# Altium PCB 11BRANMB10H2_20170927.pcbdoc (part 4 of 11) (continued)
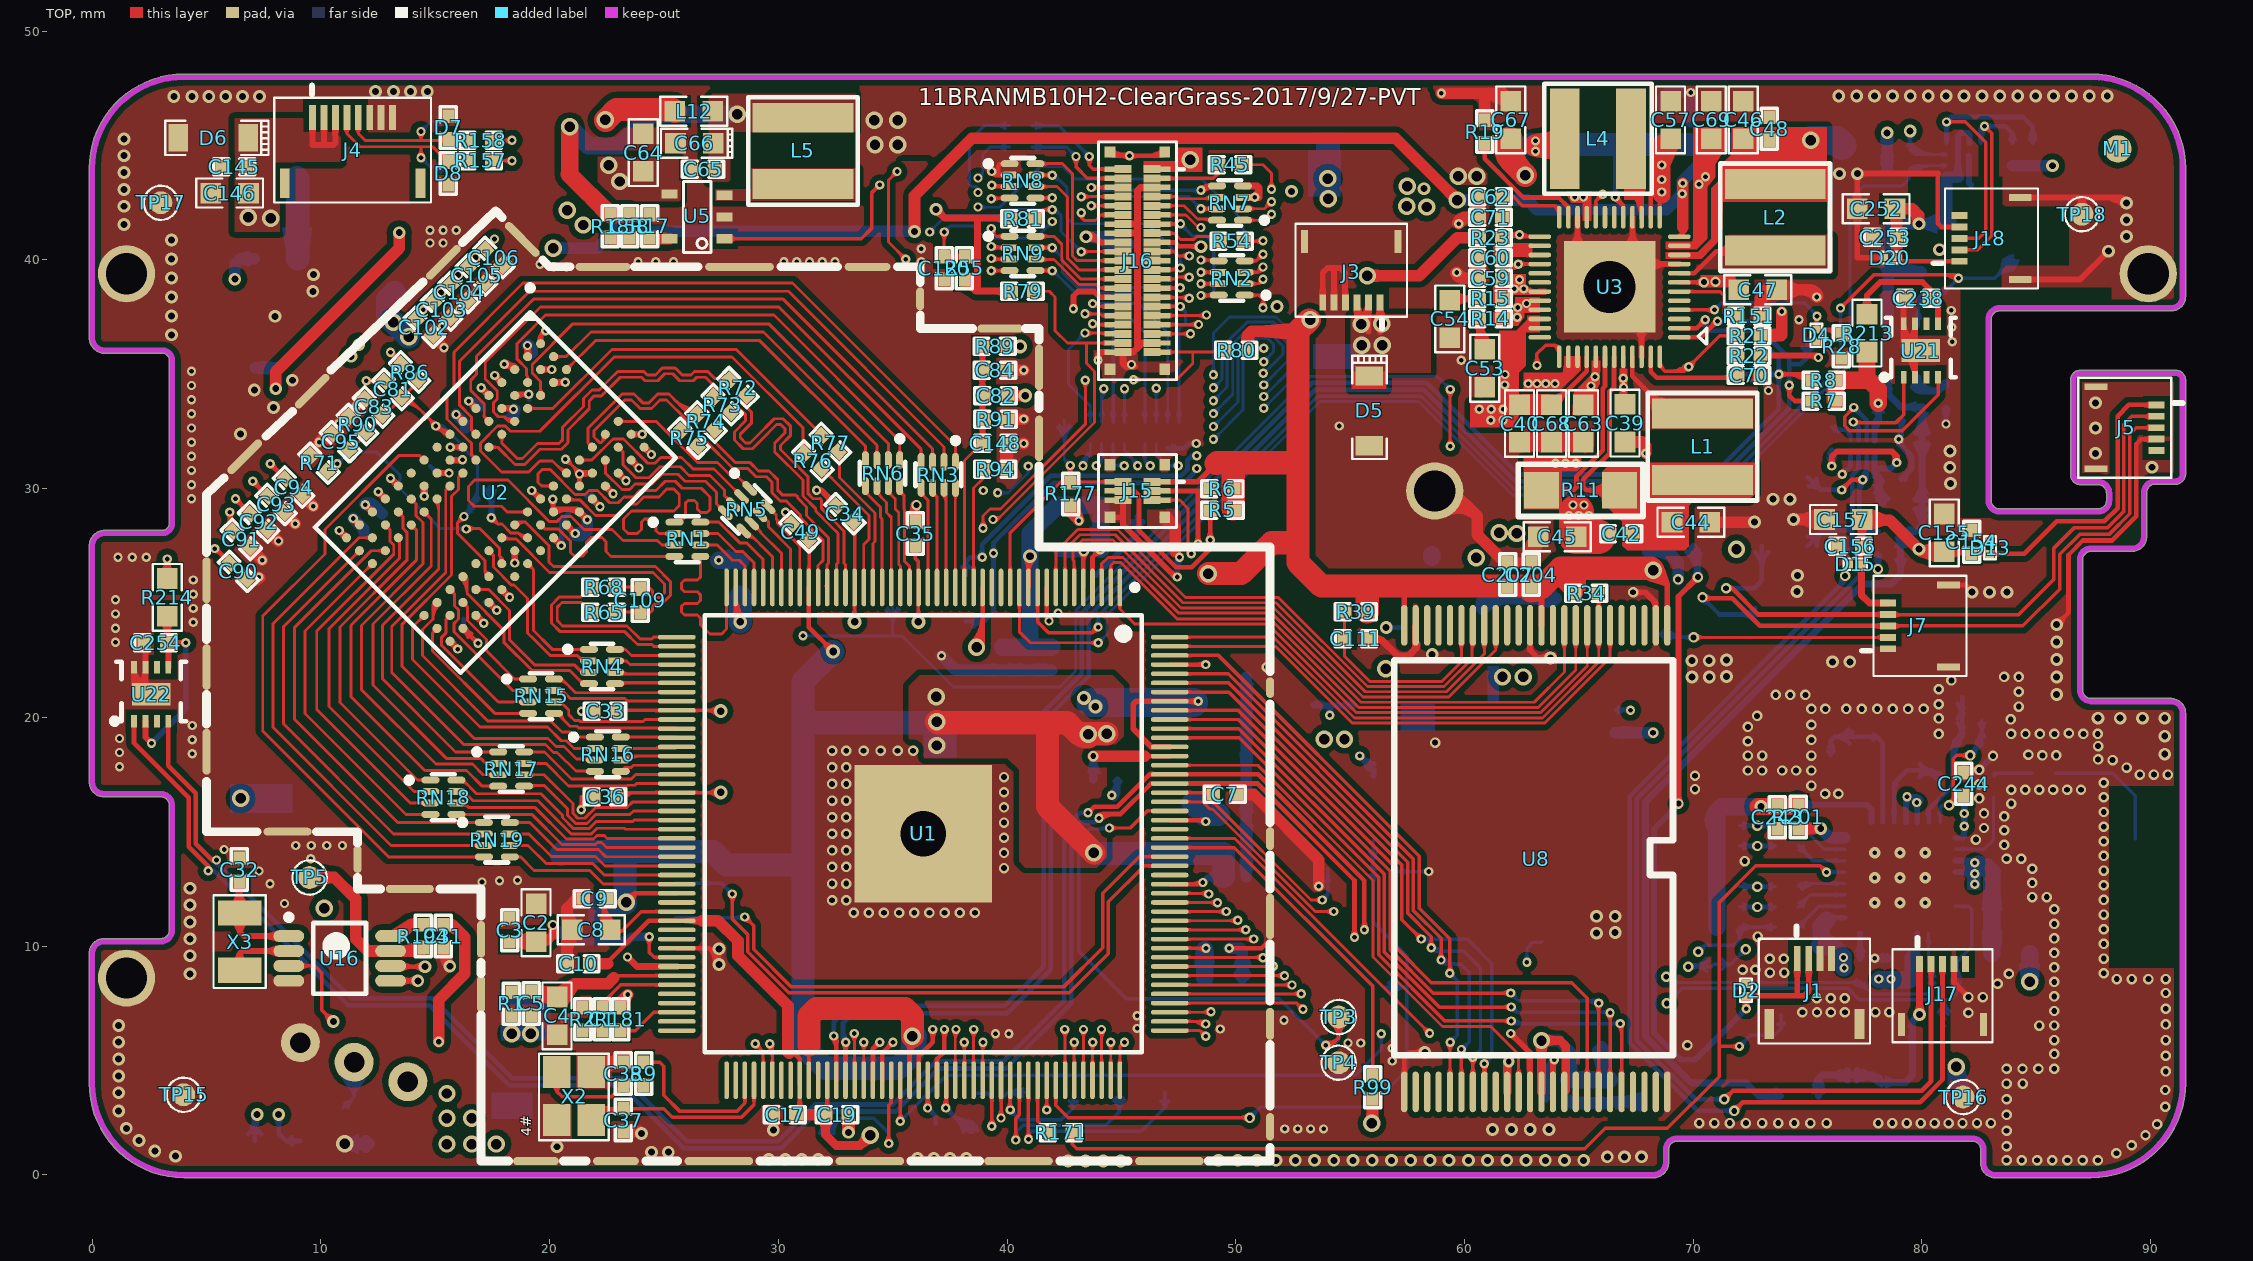
[diagram p0: TOP view]
## Nets (pads, with @x,y where several pads share a name; then routed paths per layer and width w, separated by ;. In a path a pad name is that pad's centre, name@x,y a point inside that pad or via, vN(x,y) a via of type N, cw(c..) or ccw(c..) an arc to the next point about the centre after c; other vN are vias at no path point) (continued)
  TOP w0.305: J16.42@45.065,35.941 45.065,35.484 ; J16.42@45.065,35.97 45.514,35.97 45.695,36.15 ; J16.16@45.065,41.17 45.691,41.17 ; J16.14@45.065,41.57 45.691,41.57 ; v1@45.398,35.46 cw(c45.199,35.584) 45.199,35.35 ; v1@45.408,35.471 cw(c45.243,35.663) 45.065,35.484 ; v1@45.58,35.35 45.441,35.35 45.199,35.35 ; J16.39@46.335,36.37 45.914,36.37 45.695,36.15 ; J16.21@46.335,39.97 45.836,39.97 45.695,39.829 ; J16.5@46.335,43.17 45.836,43.17 45.695,43.029 45.695,39.829 ; RN7.3@50.31,42.738 50.315,42.742 50.825,42.742 51.016,42.742 51.016,42.748 51.016,43.173 ; RN7.4@50.31,43.238 50.952,43.238 51.016,43.173 ; v1@50.799,42.792 ccw(c50.571,43.173) 51.016,43.173 ; C111.1@55.757,23.444 C111.1@55.753,23.44 55.799,23.393 56.375,23.393 57.086,22.682 57.545,22.682 57.867,23.004 ; U8.23@57.869,24.022 U8.23@57.867,24.024 57.867,23.004 ; 45.065,35.484 45.199,35.35 ; 45.695,36.15 45.695,39.829 ; 57.867,23.004 ccw(c57.722,23.149) 57.878,23.282 cw(c57.722,23.149) 57.867,23.004 ; C111.1@55.872,23.509 ccw(c56.15,23.787) 56.15,23.393 cw(c56.15,23.787) C111.1@55.872,23.509 ; 57.703,22.839 ccw(c57.269,23.273) 57.882,23.273 cw(c57.269,23.273) 57.703,22.839
  TOP w0.381: C102.2@14.913,36.661 14.913,36.635 v1(15.38,36.168) ; v1(15.329,37.107) 15.645,37.423 C103.2@15.675,37.423 ; v1(16.091,37.844) C104.2@16.436,38.184 ; v1(16.828,38.606) 17.169,38.947 C105.2@17.199,38.947 ; v1(17.615,39.368) C106.2@17.96,39.708 ; C35.1@35.98,28.6 35.97,28.649 v2@35.963,29.183 ; v2@35.963,29.183 35.963,29.282 v2(36.039,29.282) v2@35.963,29.183 ; 35.966,29.003 cw(c36.321,29.008) 36.066,29.256 ccw(c36.321,29.008) 35.966,29.003
  TOP w0.508: C90.2@6.785,25.993 7.136,25.993 v1(7.278,26.135) ; C91.2@6.912,27.39 v1(7.43,26.871) ; C92.2@7.674,28.152 7.699,28.152 v1(8.141,27.709) ; C93.2@8.436,28.914 v1(8.878,28.471) ; C94.2@9.198,29.676 9.223,29.676 v1(9.665,29.233) ; v1(9.919,32.027) 10.341,32.449 C95.2@10.463,32.449 ; v1(10.783,32.84) 11.153,33.211 R90.1@11.2,33.211 ; v1(11.545,33.602) C83.1@11.91,33.973 ; C10.1@20.758,9.228 20.758,10.719 20.758,11.645 ; 20.758,9.678 cw(c22.034,9.678) C8.1@21.132,10.58 ; 21.013,11.9 cw(c21.421,11.492) C9.1@21.421,12.069 ; C8.1@21.119,10.869 cw(c21.772,11.645) 20.758,11.645 ; C9.1@21.275,12.162 20.758,11.645 ; X2.2@21.817,4.495 22.249,4.927 C38.1@23.214,4.927 ; X2.2@22.078,4.822 ccw(c22.371,5.077) 22.603,4.766 ; C37.1@23.228,1.881 C37.1@23.214,1.895 23.923,1.895 v3(24.015,1.803) ; C17.1@29.775,2.624 29.781,2.618 v3(29.781,1.956) ; v3(33.061,1.858) C19.1@33.061,2.624 ; R94.1@39.985,30.859 C148.1@39.985,31.977 ; C84.2@40.031,35.18 v1(40.726,35.18) ; C148.1@40.045,31.977 v1(40.729,31.977) ; R91.1@40.054,33.042 v1(40.728,33.042) ; J15.8@46.895,28.75 47.358,28.287 47.358,27.244 ; C7.1@50.017,16.63 50.784,16.63 53.632,13.782 v1(53.632,12.616) ; pad.0@58.7,29.9 59.456,29.9 60.552,28.804 ; v1(58.991,47.288) 61.684,47.288 C67.2@62.025,46.948 ; v1(59.666,39.454) 59.92,39.2 ; v1(59.753,41.588) 60.032,41.867 ; C60.2@60.636,40.089 C59.1@60.636,39.2 59.92,39.2 ; C62.1@60.636,42.756 C71.1@60.636,41.867 60.032,41.867 ; C53.2@60.691,34.247 C53.2@60.882,34.438 ; R19.1@60.882,46.114 60.882,47.226 ; 61.248,47.178 ccw(c61.649,47.873) C67.2@61.951,47.129 ; C40.1@62.406,32.025 C68.2@63.803,32.025 C63.1@65.2,32.025 ; 63.024,27.198 ccw(c62.478,27.533) C45.2@63.055,27.812 ; C45.2@63.231,27.897 62.914,27.58 C204.1@62.914,26.746 C207.1@61.898,26.746 61.798,26.746 60.552,27.992 60.552,28.804 ; C39.2@67.017,32.042 67.771,32.042 67.932,31.881 v1(67.932,31.547) ; C44.2@70.724,28.532 72.682,28.532 v3@72.693,28.532 ; C44.2@70.863,28.393 cw(c71.198,28.059) 71.198,28.532 cw(c71.198,29.005) C44.2@70.863,28.671 ; R151.1@72.939,37.549 72.939,38.303 ; v3(74.388,28.651) C157.2@75.742,28.651 ; v1(75.399,38.379) 75.087,38.692 ; v1(7.278,26.135) cw(c6.904,26.508) 6.776,25.996 ccw(c6.904,26.508) v1(7.278,26.135) ; C38.1@23.214,4.927 ccw(c23.214,3.495) 22.089,4.381 cw(c23.214,3.495) C38.1@23.214,4.927 ; 59.92,39.2 cw(c59.92,39.511) 59.616,39.443 ccw(c59.92,39.511) 59.92,39.2 ; 60.032,41.867 ccw(c60.032,41.531) 59.703,41.598 cw(c60.032,41.531) 60.032,41.867 ; 60.552,28.804 ccw(c59.711,27.963) 59.161,29.017 cw(c59.711,27.963) 60.552,28.804 ; 62.879,32.025 ccw(c62.879,31.551) 62.545,31.886 cw(c62.879,31.551) 62.879,32.025 ; 62.879,32.025 cw(c62.879,32.498) 62.545,32.163 ccw(c62.879,32.498) 62.879,32.025 ; 63.33,32.025 ccw(c63.33,32.498) 63.664,32.163 cw(c63.33,32.498) 63.33,32.025 ; 63.33,32.025 cw(c63.33,31.551) 63.664,31.886 ccw(c63.33,31.551) 63.33,32.025 ; 64.276,32.025 ccw(c64.276,31.551) 63.942,31.886 cw(c64.276,31.551) 64.276,32.025 ; 64.276,32.025 cw(c64.276,32.498) 63.942,32.163 ccw(c64.276,32.498) 64.276,32.025 ; 64.727,32.025 ccw(c64.727,32.498) 65.061,32.163 cw(c64.727,32.498) 64.727,32.025 ; 64.727,32.025 cw(c64.727,31.551) 65.061,31.886 ccw(c64.727,31.551) 64.727,32.025 ; 67.491,32.042 ccw(c67.491,31.569) 67.156,31.904 cw(c67.491,31.569) 67.491,32.042 ; 67.491,32.042 cw(c67.491,32.515) 67.156,32.181 ccw(c67.491,32.515) 67.491,32.042 ; 72.939,38.303 cw(c73.454,37.788) 73.605,38.5 ccw(c73.454,37.788) 72.939,38.303 ; 72.939,38.303 73.328,38.692 C47.2@73.645,38.692 75.087,38.692 ; 74.119,38.692 ccw(c74.119,38.219) 73.784,38.553 cw(c74.119,38.219) 74.119,38.692 ; 74.119,38.692 cw(c74.119,39.165) 73.784,38.831 ccw(c74.119,39.165) 74.119,38.692 ; 75.087,38.692 cw(c75.087,38.324) 75.449,38.388 ccw(c75.087,38.324) 75.087,38.692 ; 75.269,28.651 ccw(c75.269,29.124) 75.604,28.79 cw(c75.269,29.124) 75.269,28.651 ; 75.269,28.651 cw(c75.269,28.178) 75.604,28.513 ccw(c75.269,28.178) 75.269,28.651 ; C90.2@7.057,25.993 ccw(c7.057,26.355) 7.313,26.099 cw(c7.057,26.355) C90.2@7.057,25.993 ; 23.732,1.895 cw(c23.732,1.52) 23.997,1.785 ccw(c23.732,1.52) 23.732,1.895 ; pad.0@58.926,29.467 cw(c59.376,28.606) 60.063,29.293 ccw(c59.376,28.606) pad.0@58.926,29.467 ; v1@59.63,39.418 ccw(c60.157,39.945) 60.157,39.2 cw(c60.157,39.945) v1@59.63,39.418 ; v1@59.717,41.624 cw(c60.305,41.036) 60.305,41.867 ccw(c60.305,41.036) v1@59.717,41.624 ; 60.729,47.288 cw(c60.729,45.652) 61.886,46.809 ccw(c60.729,45.652) 60.729,47.288 ; C207.1@61.649,26.895 ccw(c61.898,27.145) 61.898,26.792 cw(c61.898,27.145) C207.1@61.649,26.895 ; C204.1@62.914,26.703 cw(c64.363,26.703) 63.366,27.755 ccw(c64.363,26.703) C204.1@62.914,26.703 ; 74.767,38.692 cw(c74.767,37.747) 75.435,38.415 ccw(c74.767,37.747) 74.767,38.692
  Singal w0.254: 2.134,27.432 3.286,27.432 4.064,28.21 ; 4.064,29.566 4.064,28.21 ; 4.724,29.312 4.724,28.87 4.064,28.21
  BOTTOM w0.152: R190.2@57.053,13.229 57.085,13.261 v1(58.444,13.261) ; 58.137,13.261 ccw(c58.137,13.568) 58.354,13.351 cw(c58.137,13.568) 58.137,13.261 ; 58.137,13.261 cw(c58.137,12.955) 58.354,13.172 ccw(c58.137,12.955) 58.137,13.261 ; R190.2@57.226,13.106 cw(c57.601,12.731) 57.601,13.261 ccw(c57.601,12.731) R190.2@57.226,13.106 ; R190.2@57.226,13.352 ccw(c57.444,13.57) 57.444,13.261 cw(c57.444,13.57) R190.2@57.226,13.352
  BOTTOM w0.203: RN10.2@47.024,31.774 RN10.1@47.524,31.774 47.717,31.774 47.917,31.974 v1(48.273,31.974) ; v1(76.521,30.632) 76.881,30.992 U20.4@76.881,31.44 ; v1(81.056,32.829) C236.2@81.056,33.579 ; 48.027,31.974 ccw(c48.027,32.219) 48.201,32.046 cw(c48.027,32.219) 48.027,31.974 ; 48.027,31.974 cw(c48.027,31.729) 48.201,31.902 ccw(c48.027,31.729) 48.027,31.974 ; 76.695,30.806 ccw(c76.868,30.632) 76.623,30.632 cw(c76.868,30.632) 76.695,30.806 ; 76.695,30.806 cw(c76.521,30.979) 76.521,30.734 ccw(c76.521,30.979) 76.695,30.806 ; 81.056,33.074 ccw(c81.301,33.074) 81.127,32.901 cw(c81.301,33.074) 81.056,33.074 ; 81.056,33.074 cw(c80.81,33.074) 80.984,32.901 ccw(c80.81,33.074) 81.056,33.074 ; 81.056,33.221 ccw(c80.697,33.221) 80.951,33.474 cw(c80.697,33.221) 81.056,33.221 ; 81.056,33.221 cw(c81.414,33.221) 81.161,33.474 ccw(c81.414,33.221) 81.056,33.221
  BOTTOM w0.254: C96.2@17.41,30.044 17.453,30.002 v1(17.453,28.725) ; 43.89,26.213 45.705,28.028 ; v1@44.527,16.653 ccw(c44.004,17.293) C18.1@44.831,17.293 44.831,16.789 v1@44.605,16.564 ; v1@44.575,16.67 ccw(c44.575,17) 44.808,16.767 ; v1@44.688,16.456 ccw(c44.442,16.758) 44.831,16.758 ; C18.1@44.744,17.206 cw(c44.534,16.996) 44.831,16.996 cw(c45.128,16.996) C18.1@44.918,17.206 ; C20.1@45.705,28.786 45.705,28.028 ; v1(47.438,26.136) 47.438,26.898 v1(47.54,27) ; v1@47.475,26.96 cw(c47.295,26.85) 47.478,26.745 ; v1(77.944,9.474) C246.2@78.612,9.474 ; v1@78.956,32.09 cw(c78.738,31.713) 79.159,31.826 ; v1@79.06,32.194 cw(c79.253,32.306) 79.06,32.418 ; C242.2@79.1,30.429 79.551,30.881 79.551,31.398 78.994,31.956 v1(78.994,32.156) 78.994,32.309 79.1,32.414 ; C241.2@79.1,33.045 79.1,32.414 ; C175.2@81.837,17.606 81.851,17.606 82.414,17.606 v2(82.511,17.704) 82.511,17.716 v2(83.109,18.313) ; C175.2@81.938,17.533 cw(c82.115,17.355) 82.115,17.606 ; C175.2@81.938,17.707 ccw(c82.181,17.949) 82.181,17.606 ; C175.2@82.03,17.606 ccw(c82.03,18.185) v2@82.44,17.776 ; 82.066,44.577 82.066,43.619 82.066,43.358 82.142,43.282 cw(c82.357,43.497) U10.8@82.074,43.608 ; v2@82.613,17.704 cw(c82.887,17.704) 82.693,17.898 ; 45.705,28.029 ccw(c44.979,28.029) 45.482,28.553 cw(c44.979,28.029) 45.705,28.029 ; 45.705,28.029 cw(c46.432,28.029) 45.929,28.553 ccw(c46.432,28.029) 45.705,28.029 ; 78.265,9.474 ccw(c78.265,9.771) 78.475,9.561 cw(c78.265,9.771) 78.265,9.474 ; 78.265,9.474 cw(c78.265,9.177) 78.475,9.387 ccw(c78.265,9.177) 78.265,9.474 ; 79.1,32.414 cw(c78.902,32.414) 78.968,32.228 ccw(c78.902,32.414) 79.1,32.414 ; 79.1,32.414 ccw(c79.238,32.276) 79.062,32.19 cw(c79.238,32.276) 79.1,32.414 ; 79.1,32.748 ccw(c78.803,32.748) 79.013,32.958 cw(c78.803,32.748) 79.1,32.748 ; 79.1,32.748 cw(c79.397,32.748) 79.187,32.958 ccw(c79.397,32.748) 79.1,32.748 ; 82.935,18.14 ccw(c82.762,18.313) 83.007,18.313 cw(c82.762,18.313) 82.935,18.14 ; 82.935,18.14 cw(c83.109,17.966) 83.109,18.212 ccw(c83.109,17.966) 82.935,18.14 ; C96.2@17.288,29.922 cw(c16.89,29.524) 17.453,29.524 ccw(c16.89,29.524) C96.2@17.288,29.922 ; 47.438,26.571 cw(c47.969,26.571) 47.594,26.946 ccw(c47.969,26.571) 47.438,26.571 ; v1@78.94,32.21 ccw(c78.555,32.596) 79.1,32.596 cw(c78.555,32.596) v1@78.94,32.21 ; v1@79.07,32.156 ccw(c79.738,32.156) 79.266,31.684 cw(c79.738,32.156) v1@79.07,32.156 ; C242.2@79.273,30.429 cw(c79.69,30.429) 79.395,30.725 ccw(c79.69,30.429) C242.2@79.273,30.429
  BOTTOM w0.508: v4@11.098,1.354 C41.1@12.101,1.354 ; v1(11.941,29.295) 12.282,29.295 ; C87.2@12.668,28.91 12.282,29.295 ; v1(15.909,33.246) 16.34,32.815 16.34,32.715 16.34,32.68 C99.2@16.332,32.673 ; C101.2@18.312,33.105 C101.2@18.354,33.147 18.423,33.215 v1(18.423,33.473) ; C101.2@18.327,33.12 ccw(c17.975,33.473) v1@18.473,33.473 ; v1(19.031,36.261) 19.231,36.061 C100.2@19.231,36.005 ; v1(21.643,28.644) 21.643,28.193 C88.2@21.644,28.152 ; v1(37.133,22.69) 37.76,22.063 C23.1@39.8,22.063 C21.1@40.943,22.063 C22.1@41.959,22.063 ; v1(49.715,9.902) 50.195,9.902 50.287,9.81 C15.2@50.287,8.606 ; C28.1@50.46,13.038 C30.1@50.46,14.054 C24.1@50.46,15.578 C25.1@50.46,18.741 C26.1@50.46,20.697 C27.1@50.46,21.763 ; R35.2@64.557,3.259 64.676,3.14 C208.1@65.454,3.14 C209.1@66.343,3.14 C209.1@66.399,3.196 ; C209.1@66.403,3.2 TP24.1@67.5,3.2 ; C55.2@68.629,46.757 68.629,47.036 68.921,47.328 ; C55.2@68.812,46.826 cw(c69.256,46.993) 68.921,47.328 ; C56.2@69.899,46.05 69.899,47.324 69.899,47.328 69.895,47.328 68.921,47.328 ; 11.628,1.354 ccw(c11.628,1.827) 11.963,1.493 cw(c11.628,1.827) 11.628,1.354 ; 11.628,1.354 cw(c11.628,0.881) 11.963,1.215 ccw(c11.628,0.881) 11.628,1.354 ; 12.282,29.295 ccw(c12.071,29.083) 11.914,29.338 cw(c12.071,29.083) 12.282,29.295 ; v1(21.121,28.04) ccw(c21.121,28.671) 21.569,28.226 cw(c21.121,28.671) v1(21.121,28.04) ; v1(21.121,28.04) C88.2@21.531,28.04 ; C88.2@21.531,28.04 cw(c21.286,28.285) 21.092,27.998 ccw(c21.286,28.285) C88.2@21.531,28.04 ; C88.2@21.531,28.04 C88.2@21.643,28.151 ; C88.2@21.643,28.151 cw(c21.226,28.569) 21.111,27.99 ccw(c21.226,28.569) C88.2@21.643,28.151 ; 50.287,9.079 ccw(c50.76,9.079) 50.425,8.745 cw(c50.76,9.079) 50.287,9.079 ; 50.287,9.079 cw(c49.814,9.079) 50.148,8.745 ccw(c49.814,9.079) 50.287,9.079 ; 67.306,3.2 ccw(c67.306,3.794) 67.726,3.374 cw(c67.306,3.794) 67.306,3.2 ; 67.306,3.2 cw(c67.306,2.606) 67.726,3.026 ccw(c67.306,2.606) 67.306,3.2 ; v1@11.941,29.346 cw(c11.941,28.644) 12.437,29.14 ccw(c11.941,28.644) v1@11.941,29.346 ; v1@19.064,36.299 cw(c18.751,35.936) 19.231,35.936 ccw(c18.751,35.936) v1@19.064,36.299 ; R35.2@64.604,3.256 ccw(c64.885,3.537) 64.885,3.14 cw(c64.885,3.537) R35.2@64.604,3.256
  BOTTOM w0.762: v1(27.394,26.871) 28.326,26.871 C142.1@28.354,26.843
  other v1: 52.137,2.006 52.704,2.006 53.272,2.006 53.839,2.006 56.836,4.978 56.836,5.537 54.906,5.766 55.465,5.766 39.497,6.172 40.081,6.172 49.318,6.375 45.686,6.401 52.112,6.756 45.686,6.959 8.407,11.862 7.772,12.725 17.043,12.802 17.805,12.852 18.593,12.878 7.29,13.284 9.55,13.817 5.766,14.224 8.9,14.402 9.58,14.402 10.259,14.402 10.938,14.402 44.575,16.594 1.194,17.843 4.369,18.415 1.194,18.466 4.369,19.025 1.194,19.075 4.369,19.648 1.016,23.292 1.016,23.901 4.42,24.155 1.016,24.525 42.231,24.562 4.42,24.765 1.016,25.148 4.42,25.388 4.42,26.012 1.129,27 1.753,27 2.362,27 4.343,29.566 38.955,29.921 4.343,30.175 4.343,30.798 4.343,31.422 4.343,32.031 4.343,32.655 54.521,32.741 4.343,33.278 4.343,33.888 73.291,34.29 4.343,34.511 4.343,35.134 45.441,35.433 59.859,35.611 81.329,36.424 81.304,37.059 74.624,37.389 81.279,37.795 20.177,39.699 20.741,39.697 19.576,39.814 23.867,39.929 24.642,39.929 25.416,39.929 30.242,39.929 30.801,39.929 31.36,39.929 31.919,39.929 32.478,39.929 36.246,39.929 36.246,40.487 14.765,40.741 15.341,40.741 14.765,41.3 15.341,41.3 15.917,41.3 50.825,42.748 69.895,47.324
  other v2: 83.705,0.635 84.37,0.635 85.034,0.635 85.699,0.635 86.364,0.635 87.028,0.635 87.693,0.635 88.506,0.94 83.705,1.245 89.166,1.295 89.776,1.727 83.705,1.93 90.284,2.21 70.269,2.261 70.929,2.261 71.6,2.261 72.305,2.261 73.01,2.261 73.715,2.261 74.421,2.261 75.126,2.261 75.831,2.261 78.092,2.261 78.701,2.261 79.336,2.261 79.946,2.261 80.556,2.261 81.165,2.261 81.775,2.261 82.41,2.261 83.019,2.261 83.705,2.616 90.639,2.972 83.705,3.302 90.639,3.708 83.705,3.988 84.412,3.987 90.665,4.521 83.705,4.639 84.399,4.639 85.094,4.639 85.788,4.639 90.665,5.207 85.788,5.283 69.748,5.664 85.788,5.893 90.665,5.893 85.134,6.527 85.788,6.528 90.665,6.579 82.033,7.086 74.778,7.112 75.413,7.112 76.022,7.112 76.632,7.112 77.965,7.112 78.574,7.112 85.788,7.163 90.665,7.264 75.404,7.721 76.013,7.721 76.623,7.721 82.668,7.772 85.788,7.798 90.665,7.95 83.312,8.356 85.788,8.433 88.519,8.56 89.179,8.56 89.903,8.56 90.665,8.56 83.807,8.788 87.947,8.814 73.353,8.839 73.981,8.839 72.16,8.966 72.719,8.966 85.788,9.068 73.346,9.449 73.956,9.449 87.947,9.455 85.788,9.703 87.947,10.096 85.788,10.338 72.822,10.414 87.947,10.736 85.788,10.973 87.947,11.377 33.299,11.455 33.952,11.455 34.615,11.455 35.278,11.455 35.941,11.455 36.604,11.455 37.267,11.455 37.93,11.455 38.593,11.455 85.788,11.608 32.347,12.008 32.969,12.008 87.947,12.018 84.823,12.141 85.458,12.141 87.947,12.659 32.347,12.734 32.969,12.734 84.823,12.763 87.947,13.3 84.823,13.386 39.865,13.41 32.347,13.46 32.969,13.46 72.254,13.716 83.705,13.818 84.34,13.818 87.947,13.941 39.865,14.073 32.347,14.186 32.969,14.186 83.604,14.427 87.947,14.582 82.359,14.656 39.865,14.736 32.347,14.912 32.969,14.912 83.604,15.062 82.715,15.164 87.947,15.222 39.865,15.399 32.347,15.638 32.969,15.638 83.604,15.672 82.715,15.799 87.947,15.863 39.865,16.061 83.908,16.231 32.347,16.364 32.969,16.364 82.511,16.459 87.947,16.504 75.768,16.662 76.352,16.662 39.865,16.724 83.908,16.84 84.518,16.84 85.128,16.84 85.737,16.84 86.347,16.84 86.956,16.84 70.079,16.865 75.171,17.018 82.511,17.069 32.347,17.09 32.969,17.09 87.947,17.145 39.865,17.387 70.079,17.45 89.535,17.5 90.145,17.5 90.754,17.5 72.39,17.678 73.012,17.678 73.889,17.678 74.498,17.678 75.171,17.678 32.347,17.816 32.969,17.816 88.949,17.805 88.34,18.136 87.705,18.161 72.39,18.33 73.016,18.33 75.171,18.33 85.268,18.339 85.877,18.339 84.658,18.364 32.347,18.542 32.969,18.542 33.729,18.542 34.47,18.542 35.212,18.542 35.89,18.542 87.705,18.745 58.716,18.897 72.39,18.957 75.171,19.015 80.734,19.279 83.897,19.279 84.53,19.279 85.162,19.279 85.795,19.279 87.06,19.279 87.693,19.279 86.428,19.304 72.39,19.583 75.171,19.68 83.883,19.914 80.734,19.958 72.796,20.066 75.171,20.371 75.78,20.371 76.695,20.371 77.371,20.371 78.046,20.371 78.722,20.371 79.398,20.371 80.073,20.371 84.239,20.472 80.733,20.574 73.609,20.98 74.244,20.98 74.905,20.98 84.239,21.12 80.733,21.234 81.292,21.615 83.591,21.768 84.239,21.768 51.359,22.199
  other v3: 42.663,0.609 43.433,0.609 44.204,0.609 44.974,0.609 49.242,0.635 50.082,0.635 50.923,0.635 51.763,0.635 52.604,0.635 53.445,0.635 54.285,0.635 55.126,0.635 55.967,0.635 56.807,0.635 57.648,0.635 58.488,0.635 59.329,0.635 60.17,0.635 61.01,0.635 61.851,0.635 62.691,0.635 63.532,0.635 64.373,0.635 65.213,0.635 29.582,0.678 30.301,0.678 31.021,0.678 31.741,0.678 36.084,0.711 36.796,0.711 37.507,0.711 38.218,0.711 66.243,0.787 66.992,0.787 67.742,0.787 3.638,0.812 24.451,0.99 25.188,0.99 2.734,1.041 20.322,1.226 2.048,1.498 61.226,1.981 62.05,1.981 62.873,1.981 63.697,1.981 1.49,2.032 1.155,2.794 1.155,3.588 1.155,4.325 1.155,5.061 1.155,5.798 1.155,6.534 4.279,8.788 27.407,9.195 4.279,9.582 27.407,9.88 4.279,10.319 65.777,10.566 66.59,10.592 4.279,11.056 65.777,11.303 66.59,11.303 4.279,11.792 4.279,12.529 90.618,18.389 90.618,19.177 87.697,19.964 88.671,19.964 89.645,19.964 90.618,19.964 85.894,21.006 69.943,21.768 70.705,21.768 85.894,21.768 71.462,21.793 76.085,22.428 76.847,22.428 69.938,22.479 70.7,22.479 71.462,22.504 85.894,22.53 58.589,22.758 85.894,23.292 82.955,25.476 83.717,25.476 74.536,25.502 74.561,26.213 72.682,28.545 73.494,29.54 74.231,29.54 81.246,30.226 81.22,30.937 90.055,30.937 87.591,31.547 81.228,31.648 6.477,32.385 87.591,32.652 7.925,33.553 87.591,33.757 7.087,34.315 8.75,34.741 3.471,36.728 7.988,37.535 3.471,37.556 3.471,38.384 9.645,38.63 3.471,39.212 9.67,39.357 3.471,40.04 80.775,40.451 3.471,40.868 88.942,41.021 1.383,41.554 88.942,41.757 1.383,42.348 1.383,43.085 76.4,43.774 1.383,43.822 1.383,44.558 1.383,45.295 3.568,47.143 4.362,47.143 5.099,47.143 5.835,47.143 6.572,47.143 7.309,47.143 76.365,47.168 77.147,47.168 77.93,47.168 78.712,47.168 79.495,47.168 80.278,47.168 81.06,47.168 81.843,47.168 82.625,47.168 83.408,47.168 84.191,47.168 84.973,47.168 85.756,47.168 86.538,47.168 87.321,47.168 88.104,47.168 12.382,47.371 13.176,47.371 13.913,47.371 14.649,47.371
  other v4: 11.047,1.354
  other v6: 77.943,11.887 79.043,11.887 80.143,11.887 77.943,12.987 79.043,12.987 80.143,12.987 77.943,14.087 79.043,14.087 80.143,14.087
HPBP: C8.2 C9.2 U1.75 | length 16.2
  TOP w0.152: C9.2@22.335,12.162 C9.2@22.335,12.065 ; U1.75@25.56,11.508 24.011,11.508 23.172,10.664 ; C9.2@22.335,12.065 ccw(c23.63,12.065) 22.865,11.02 cw(c23.63,12.065) C9.2@22.335,12.065 ; C9.2@22.335,12.065 22.335,10.765 22.36,10.765 22.487,10.638 22.644,10.638 23.122,10.638 ; 23.122,10.638 ccw(c23.122,10.477) 22.978,10.55 cw(c23.122,10.477) 23.122,10.638 ; 23.122,10.638 cw(c23.122,10.742) 23.017,10.737 ccw(c23.122,10.742) 23.122,10.638 ; 23.122,10.638 23.122,10.664 ; 23.122,10.664 ccw(c23.122,10.52) 22.989,10.575 cw(c23.122,10.52) 23.122,10.664 ; 23.122,10.664 cw(c23.122,10.77) 23.016,10.759 ccw(c23.122,10.77) 23.122,10.664 ; 23.122,10.664 23.172,10.664 ; 23.172,10.664 ccw(c23.172,10.44) 22.975,10.544 cw(c23.172,10.44) 23.172,10.664 ; 23.172,10.664 cw(c23.172,10.83) 23.01,10.795 ccw(c23.172,10.83) 23.172,10.664 ; C8.2@22.335,11.163 ccw(c22.97,11.163) 22.595,10.651 cw(c22.97,11.163) C8.2@22.335,11.163 ; 22.335,11.439 cw(c23.047,11.439) 22.544,11.942 ccw(c23.047,11.439) 22.335,11.439 ; 22.335,11.464 ccw(c23.19,11.464) 22.685,10.774 cw(c23.19,11.464) 22.335,11.464 ; 22.335,11.764 ccw(c23.41,11.764) 22.775,10.897 cw(c23.41,11.764) 22.335,11.764 ; 22.335,11.806 cw(c22.679,11.806) 22.436,12.05 ccw(c22.679,11.806) 22.335,11.806